# KiCad board haptic display 8x8 aisler.kicad_pcb (continued)
## Routing (per net, layer and track width the routed paths; a pad name or vN(x,y) marks a point on that pad's centre or on a via; arc(x,y) is an arc through that point) (continued)
62.95,68.55 63.22,68.69 63.51,68.81 63.8,68.91 64.09,68.98 64.39,69.04 64.7,69.07 65,69.08 65.3,69.06 65.61,69.02 65.9,68.96 66.2,68.88 66.48,68.78 66.76,68.66 67.03,68.51 67.28,68.35 67.52,68.17 67.75,67.97 67.96,67.75 68.16,67.52 68.33,67.27 68.49,67.02 68.63,66.75 68.75,66.47 68.85,66.19 68.92,65.89 68.97,65.6 69,65.3 69.01,65 69,64.7 68.96,64.4 68.9,64.11 68.82,63.82 68.72,63.54 68.6,63.27 68.46,63 68.3,62.75 68.12,62.51 67.92,62.29 67.71,62.08 67.48,61.89 67.24,61.72 66.99,61.56 66.72,61.43 66.45,61.31 66.17,61.21 65.88,61.14 65.59,61.09 65.3,61.06 65,61.05 64.69,61.07 64.38,61.1 64.08,61.17 63.78,61.26 63.49,61.37 63.22,61.5 62.95,61.65 62.69,61.82 62.45,62.02 62.23,62.23 62.02,62.46 61.83,62.7 61.67,62.96 61.52,63.23 61.39,63.51 61.29,63.79 61.21,64.09 61.15,64.39 61.12,64.69 61.11,65 61.13,65.3 61.17,65.61 61.23,65.91 61.31,66.2 61.42,66.48 61.55,66.76 61.7,67.02 61.88,67.27 62.07,67.51 62.27,67.73 62.5,67.93 62.74,68.11 62.99,68.28 63.25,68.42 63.53,68.55 63.81,68.65 64.1,68.73 64.4,68.78 64.7,68.82 65,68.83 65.3,68.81 65.6,68.77 65.89,68.71 66.18,68.63 66.46,68.52 66.73,68.39 66.99,68.24 67.23,68.07 67.47,67.89 67.68,67.68 67.88,67.46 68.06,67.23 68.23,66.98 68.37,66.72 68.49,66.45 68.59,66.17 68.67,65.88 68.72,65.59 68.75,65.3 68.76,65 68.75,64.71 68.71,64.41 68.65,64.12 68.57,63.84 68.46,63.57 68.34,63.3 68.19,63.05 68.02,62.8 67.84,62.57 67.64,62.36 67.42,62.17 67.19,61.99 66.94,61.83 66.69,61.69 66.42,61.57 66.15,61.47 65.87,61.39 65.58,61.34 65.29,61.31 65,61.3 64.69,61.32 64.39,61.36 64.09,61.42 63.8,61.51 63.52,61.63 63.25,61.76 62.99,61.92 62.74,62.1 62.51,62.3 62.3,62.52 62.11,62.75 61.94,63 61.78,63.26 61.65,63.53 61.55,63.81 61.46,64.1 61.41,64.4 61.37,64.7 61.36,65 61.38,65.3 61.42,65.6 61.48,65.89 61.57,66.18 61.68,66.45 61.82,66.72 61.97,66.98 62.15,67.22 62.35,67.44 62.56,67.65 62.79,67.84 63.03,68.01 63.29,68.16 63.56,68.29 63.83,68.39 64.12,68.48 64.41,68.53 64.7,68.57 65,68.58 65.29,68.56 65.59,68.52 65.88,68.46 66.16,68.37 66.43,68.26 66.69,68.13 66.94,67.97 67.18,67.8 67.4,67.61 67.61,67.4 67.79,67.17 67.96,66.93 68.11,66.68 68.23,66.42 68.33,66.14 68.41,65.86 68.47,65.58 68.5,65.29 68.51,65 68.5,64.71 68.46,64.42 68.4,64.14 68.31,63.86 68.2,63.6 68.07,63.34 67.92,63.09 67.75,62.86 67.56,62.64 67.36,62.44 67.14,62.26 66.9,62.09 66.65,61.95 66.39,61.83 66.12,61.72 65.85,61.65 65.57,61.59 65.29,61.56 65,61.55 64.7,61.57 64.4,61.61 64.11,61.68 63.82,61.77 63.55,61.89 63.29,62.03 63.04,62.19 62.8,62.38 62.58,62.58 62.38,62.8 62.21,63.04 62.05,63.3 61.91,63.56 61.8,63.84 61.72,64.12 61.66,64.41 61.62,64.7 61.61,65 61.63,65.29 61.67,65.59 61.74,65.87 61.83,66.15 61.95,66.42 62.08,66.68 62.25,66.93 62.43,67.16 62.63,67.37 62.84,67.57 63.08,67.74 63.33,67.9 63.59,68.03 63.86,68.14 64.14,68.22 64.42,68.28 64.71,68.32 65,68.33 65.29,68.31 65.58,68.27 65.86,68.2 66.13,68.11 66.4,68 66.65,67.86 66.89,67.7 67.12,67.53 67.33,67.33 67.52,67.11 67.69,66.89 67.84,66.64 67.97,66.39 68.08,66.12 68.16,65.85 68.22,65.57 68.25,65.28 68.26,65 68.25,64.72 68.21,64.43 68.14,64.16 68.05,63.89 67.94,63.63 67.81,63.38 67.65,63.14 67.48,62.92 67.28,62.72 67.07,62.53 66.85,62.36 66.61,62.21 66.36,62.08 66.1,61.98 65.83,61.9 65.56,61.84 65.28,61.81 65,61.8 64.71,61.82 64.41,61.86 64.13,61.93 63.85,62.03 63.58,62.15 63.33,62.3 63.09,62.47 62.86,62.66 62.66,62.87 62.48,63.09 62.31,63.34 62.17,63.59 62.06,63.86 61.97,64.14 61.91,64.42 61.87,64.71 61.86,65 61.88,65.29 61.92,65.58 61.99,65.86 62.09,66.13 62.21,66.39 62.35,66.64 62.52,66.88 62.7,67.09 62.91,67.29 63.13,67.47 63.37,67.63 63.62,67.77 63.88,67.88 64.16,67.97 64.43,68.03 64.72,68.07 65,68.08 65.28,68.06 65.56,68.02 65.84,67.95 66.11,67.85 66.36,67.74 66.61,67.6 66.84,67.43 67.05,67.25 67.25,67.05 67.42,66.83 67.58,66.6 67.71,66.35 67.82,66.09 67.91,65.83 67.97,65.55 68,65.28 68.01,65 68,64.72 67.95,64.45 67.89,64.18 67.8,63.92 67.68,63.67 67.54,63.43 67.38,63.2 67.2,62.99 67.01,62.8 66.79,62.63 66.56,62.47 66.32,62.34 66.07,62.24 65.81,62.15 65.54,62.09 65.27,62.06 65,62.05 64.71,62.07 64.43,62.11 64.15,62.19 63.88,62.29 63.62,62.42 63.37,62.57 63.15,62.74 62.94,62.94 62.75,63.15 62.58,63.38 62.44,63.63 62.32,63.89 62.23,64.16 62.16,64.44 62.12,64.72 62.11,65 62.13,65.28 62.18,65.56 62.25,65.83 62.35,66.1 62.47,66.35 62.62,66.59 62.79,66.81 62.98,67.02 63.19,67.2 63.42,67.37 63.66,67.51 63.91,67.62 64.18,67.71 64.45,67.78 64.72,67.82 65,67.83 65.28,67.81 65.55,67.76 65.82,67.69 66.08,67.6 66.32,67.47 66.56,67.33 66.77,67.16 66.98,66.98 67.16,66.77 67.32,66.55 67.45,66.31 67.57,66.06 67.65,65.81 67.72,65.54 67.75,65.27 67.76,65 67.75,64.73 67.7,64.46 67.63,64.2 67.54,63.95 67.42,63.71 67.28,63.48 67.11,63.26 66.93,63.07 66.73,62.89 66.51,62.74 66.28,62.6 66.04,62.49 65.79,62.41 65.53,62.34 65.27,62.31 65,62.3 64.72,62.32 64.44,62.37 64.17,62.44 63.91,62.55 63.66,62.68 63.43,62.84 63.21,63.02 63.02,63.22 62.85,63.44 62.7,63.67 62.58,63.92 62.48,64.18 62.41,64.45 62.37,64.72 62.36,65 62.38,65.28 62.43,65.55 62.5,65.81 62.61,66.07 62.73,66.31 62.89,66.54 63.06,66.75 63.26,66.94 63.47,67.1 63.7,67.25 63.95,67.37 64.2,67.46 64.46,67.53 64.73,67.57 65,67.58 65.27,67.56 65.53,67.51 65.79,67.44 66.04,67.34 66.28,67.21 66.5,67.06 66.7,66.89 66.89,66.7 67.05,66.49 67.19,66.27 67.31,66.03 67.4,65.78 67.47,65.52 67.5,65.26 67.51,65 67.49,64.74 67.45,64.48 67.38,64.23 67.28,63.98 67.16,63.75 67.01,63.54 66.85,63.34 66.66,63.16 66.45,63 66.24,62.86 66,62.75 65.76,62.66 65.51,62.6 65.26,62.56 65,62.55 64.73,62.57 64.46,62.62 64.2,62.7 63.94,62.81 63.71,62.94 63.49,63.11 63.29,63.29 63.11,63.49 62.96,63.72 62.83,63.96 62.73,64.21 62.66,64.47 62.62,64.73 62.61,65 62.63,65.27 62.68,65.53 62.76,65.78 62.87,66.03 63,66.26 63.15,66.47 63.33,66.67 63.53,66.84 63.75,66.99 63.98,67.11 64.23,67.21 64.48,67.28 64.74,67.31 65,67.33 65.26,67.31 65.52,67.26 65.76,67.18 66,67.08 66.23,66.95 66.43,66.8 66.62,66.62 66.79,66.43 66.93,66.22 67.05,65.99 67.15,65.75 67.21,65.51 67.25,65.25 67.26,65 67.24,64.75 67.2,64.5 67.12,64.26 67.02,64.03 66.9,63.81 66.75,63.61 66.58,63.42 66.39,63.26 66.18,63.12 65.96,63 65.73,62.91 65.49,62.85 65.25,62.81 65,62.8 64.74,62.82 64.48,62.87 64.22,62.96 63.99,63.07 63.76,63.21 63.56,63.37 63.38,63.56 63.22,63.77 63.09,64 62.99,64.24 62.92,64.49 62.87,64.74 62.86,65 62.88,65.26 62.93,65.51 63.01,65.75 63.12,65.98 63.26,66.2 63.42,66.4 63.6,66.57 63.81,66.73 64.03,66.85 64.26,66.95 64.5,67.02 64.75,67.06 65,67.08 65.25,67.06 65.49,67.01 65.73,66.93 65.96,66.82 66.17,66.69 66.36,66.53 66.53,66.35 66.68,66.16 66.8,65.94 66.9,65.72 66.96,65.48 67,65.24 67.01,65 66.99,64.76 66.94,64.52 66.87,64.29 66.76,64.07 66.64,63.87 66.48,63.68 66.31,63.52 66.12,63.38 65.92,63.26 65.7,63.16 65.47,63.1 65.24,63.06 65,63.05 64.75,63.07 64.5,63.13 64.26,63.21 64.04,63.33 63.83,63.47 63.64,63.64 63.48,63.84 63.35,64.05 63.24,64.27 63.17,64.51 63.12,64.75 63.11,65 63.13,65.25 63.19,65.49 63.27,65.72 63.38,65.93 63.52,66.13 63.69,66.31 63.87,66.47 64.08,66.6 64.3,66.7 64.52,66.77 64.76,66.81 65,66.83 65.24,66.8 65.47,66.75 65.69,66.67 65.9,66.56 66.1,66.43 66.27,66.27 66.42,66.09 66.54,65.89 66.64,65.68 66.71,65.46 66.75,65.23 66.76,65 66.74,64.77 66.69,64.55 66.61,64.33 66.51,64.13 66.38,63.94 66.22,63.78 66.05,63.63 65.86,63.51 65.66,63.41 65.44,63.35 65.22,63.31 65,63.3 64.76,63.32 64.52,63.38 64.3,63.47 64.09,63.59 63.91,63.74 63.74,63.91 63.6,64.1 63.49,64.31 63.42,64.54 63.37,64.77 63.36,65 63.38,65.23 63.44,65.46 63.53,65.67 63.64,65.87 63.78,66.05 63.95,66.21 64.14,66.34 64.34,66.45 64.55,66.52 64.78,66.56 65,66.58 65.22,66.55 65.44,66.5 65.65,66.42 65.84,66.31 66.01,66.17 66.16,66.01 66.29,65.83 66.39,65.64 66.46,65.43 66.5,65.22 66.51,65 66.49,64.79 66.44,64.58 66.36,64.38 66.25,64.19 66.12,64.03 65.97,63.88 65.8,63.76 65.61,63.67 65.41,63.6 65.21,63.56 65,63.55 65,63.6 64.63,63.97 64.59,63.98 ; v1(65.35,45) 65,45.35 65,45.55 64.68,45.56 64.37,45.6 64.06,45.66 63.75,45.74 63.45,45.84 63.16,45.97 62.88,46.11 62.61,46.28 62.35,46.46 62.1,46.66 61.88,46.88 61.66,47.11 61.47,47.36 61.29,47.62 61.13,47.89 60.99,48.17 60.88,48.46 60.78,48.76 60.7,49.07 60.65,49.37 60.62,49.69 60.61,50 60.63,50.31 60.66,50.62 60.72,50.93 60.8,51.23 60.9,51.53 61.02,51.82 61.17,52.09 61.33,52.36 61.51,52.61 61.71,52.85 61.92,53.08 62.15,53.29 62.39,53.48 62.65,53.66 62.92,53.81 63.2,53.95 63.48,54.07 63.78,54.16 64.08,54.23 64.38,54.29 64.69,54.32 65,54.33 65.31,54.31 65.61,54.28 65.92,54.22 66.22,54.14 66.51,54.04 66.79,53.92 67.06,53.78 67.33,53.62 67.58,53.44 67.81,53.25 68.04,53.04 68.24,52.81 68.43,52.57 68.6,52.32 68.76,52.05 68.89,51.78 69.01,51.49 69.1,51.2 69.17,50.91 69.22,50.61 69.25,50.3 69.26,50 69.25,49.7 69.21,49.39 69.16,49.1 69.08,48.8 68.98,48.52 68.86,48.24 68.72,47.97 68.57,47.71 68.39,47.46 68.2,47.23 67.99,47.01 67.77,46.8 67.53,46.62 67.28,46.45 67.02,46.3 66.75,46.16 66.47,46.05 66.19,45.96 65.89,45.89 65.6,45.84 65.3,45.81 65,45.8 64.69,45.81 64.37,45.85 64.07,45.91 63.77,46 63.47,46.1 63.19,46.23 62.91,46.38 62.65,46.55 62.4,46.74 62.16,46.94 61.95,47.17 61.74,47.4 61.56,47.66 61.4,47.92 61.26,48.2 61.13,48.48 61.03,48.78 60.96,49.08 60.9,49.38 60.87,49.69 60.86,50 60.88,50.31 60.91,50.62 60.97,50.92 61.06,51.22 61.16,51.51 61.29,51.79 61.43,52.06 61.6,52.32 61.79,52.56 61.99,52.79 62.21,53.01 62.44,53.21 62.69,53.39 62.95,53.55 63.22,53.69 63.51,53.81 63.8,53.91 64.09,53.98 64.39,54.04 64.7,54.07 65,54.08 65.3,54.06 65.61,54.02 65.9,53.96 66.2,53.88 66.48,53.78 66.76,53.66 67.03,53.51 67.28,53.35 67.52,53.17 67.75,52.97 67.96,52.75 68.16,52.52 68.33,52.27 68.49,52.02 68.63,51.75 68.75,51.47 68.85,51.19 68.92,50.89 68.97,50.6 69,50.3 69.01,50 69,49.7 68.96,49.4 68.9,49.11 68.82,48.82 68.72,48.54 68.6,48.27 68.46,48 68.3,47.75 68.12,47.51 67.92,47.29 67.71,47.08 67.48,46.89 67.24,46.72 66.99,46.56 66.72,46.43 66.45,46.31 66.17,46.21 65.88,46.14 65.59,46.09 65.3,46.06 65,46.05 64.69,46.07 64.38,46.1 64.08,46.17 63.78,46.26 63.49,46.37 63.22,46.5 62.95,46.65 62.69,46.82 62.45,47.02 62.23,47.23 62.02,47.46 61.83,47.7 61.67,47.96 61.52,48.23 61.39,48.51 61.29,48.79 61.21,49.09 61.15,49.39 61.12,49.69 61.11,50 61.13,50.3 61.17,50.61 61.23,50.91 61.31,51.2 61.42,51.48 61.55,51.76 61.7,52.02 61.88,52.27 62.07,52.51 62.27,52.73 62.5,52.93 62.74,53.11 62.99,53.28 63.25,53.42 63.53,53.55 63.81,53.65 64.1,53.73 64.4,53.78 64.7,53.82 65,53.83 65.3,53.81 65.6,53.77 65.89,53.71 66.18,53.63 66.46,53.52 66.73,53.39 66.99,53.24 67.23,53.07 67.47,52.89 67.68,52.68 67.88,52.46 68.06,52.23 68.23,51.98 68.37,51.72 68.49,51.45 68.59,51.17 68.67,50.88 68.72,50.59 68.75,50.3 68.76,50 68.75,49.71 68.71,49.41 68.65,49.12 68.57,48.84 68.46,48.57 68.34,48.3 68.19,48.05 68.02,47.8 67.84,47.57 67.64,47.36 67.42,47.17 67.19,46.99 66.94,46.83 66.69,46.69 66.42,46.57 66.15,46.47 65.87,46.39 65.58,46.34 65.29,46.31 65,46.3 64.69,46.32 64.39,46.36 64.09,46.42 63.8,46.51 63.52,46.63 63.25,46.76 62.99,46.92 62.74,47.1 62.51,47.3 62.3,47.52 62.11,47.75 61.94,48 61.78,48.26 61.65,48.53 61.55,48.81 61.46,49.1 61.41,49.4 61.37,49.7 61.36,50 61.38,50.3 61.42,50.6 61.48,50.89 61.57,51.18 61.68,51.45 61.82,51.72 61.97,51.98 62.15,52.22 62.35,52.44 62.56,52.65 62.79,52.84 63.03,53.01 63.29,53.16 63.56,53.29 63.83,53.39 64.12,53.48 64.41,53.53 64.7,53.57 65,53.58 65.29,53.56 65.59,53.52 65.88,53.46 66.16,53.37 66.43,53.26 66.69,53.13 66.94,52.97 67.18,52.8 67.4,52.61 67.61,52.4 67.79,52.17 67.96,51.93 68.11,51.68 68.23,51.42 68.33,51.14 68.41,50.86 68.47,50.58 68.5,50.29 68.51,50 68.5,49.71 68.46,49.42 68.4,49.14 68.31,48.86 68.2,48.6 68.07,48.34 67.92,48.09 67.75,47.86 67.56,47.64 67.36,47.44 67.14,47.26 66.9,47.09 66.65,46.95 66.39,46.83 66.12,46.72 65.85,46.65 65.57,46.59 65.29,46.56 65,46.55 64.7,46.57 64.4,46.61 64.11,46.68 63.82,46.77 63.55,46.89 63.29,47.03 63.04,47.19 62.8,47.38 62.58,47.58 62.38,47.8 62.21,48.04 62.05,48.3 61.91,48.56 61.8,48.84 61.72,49.12 61.66,49.41 61.62,49.7 61.61,50 61.63,50.29 61.67,50.59 61.74,50.87 61.83,51.15 61.95,51.42 62.08,51.68 62.25,51.93 62.43,52.16 62.63,52.37 62.84,52.57 63.08,52.74 63.33,52.9 63.59,53.03 63.86,53.14 64.14,53.22 64.42,53.28 64.71,53.32 65,53.33 65.29,53.31 65.58,53.27 65.86,53.2 66.13,53.11 66.4,53 66.65,52.86 66.89,52.7 67.12,52.53 67.33,52.33 67.52,52.11 67.69,51.89 67.84,51.64 67.97,51.39 68.08,51.12 68.16,50.85 68.22,50.57 68.25,50.28 68.26,50 68.25,49.72 68.21,49.43 68.14,49.16 68.05,48.89 67.94,48.63 67.81,48.38 67.65,48.14 67.48,47.92 67.28,47.72 67.07,47.53 66.85,47.36 66.61,47.21 66.36,47.08 66.1,46.98 65.83,46.9 65.56,46.84 65.28,46.81 65,46.8 64.71,46.82 64.41,46.86 64.13,46.93 63.85,47.03 63.58,47.15 63.33,47.3 63.09,47.47 62.86,47.66 62.66,47.87 62.48,48.09 62.31,48.34 62.17,48.59 62.06,48.86 61.97,49.14 61.91,49.42 61.87,49.71 61.86,50 61.88,50.29 61.92,50.58 61.99,50.86 62.09,51.13 62.21,51.39 62.35,51.64 62.52,51.88 62.7,52.09 62.91,52.29 63.13,52.47 63.37,52.63 63.62,52.77 63.88,52.88 64.16,52.97 64.43,53.03 64.72,53.07 65,53.08 65.28,53.06 65.56,53.02 65.84,52.95 66.11,52.85 66.36,52.74 66.61,52.6 66.84,52.43 67.05,52.25 67.25,52.05 67.42,51.83 67.58,51.6 67.71,51.35 67.82,51.09 67.91,50.83 67.97,50.55 68,50.28 68.01,50 68,49.72 67.95,49.45 67.89,49.18 67.8,48.92 67.68,48.67 67.54,48.43 67.38,48.2 67.2,47.99 67.01,47.8 66.79,47.63 66.56,47.47 66.32,47.34 66.07,47.24 65.81,47.15 65.54,47.09 65.27,47.06 65,47.05 64.71,47.07 64.43,47.11 64.15,47.19 63.88,47.29 63.62,47.42 63.37,47.57 63.15,47.74 62.94,47.94 62.75,48.15 62.58,48.38 62.44,48.63 62.32,48.89 62.23,49.16 62.16,49.44 62.12,49.72 62.11,50 62.13,50.28 62.18,50.56 62.25,50.83 62.35,51.1 62.47,51.35 62.62,51.59 62.79,51.81 62.98,52.02 63.19,52.2 63.42,52.37 63.66,52.51 63.91,52.62 64.18,52.71 64.45,52.78 64.72,52.82 65,52.83 65.28,52.81 65.55,52.76 65.82,52.69 66.08,52.6 66.32,52.47 66.56,52.33 66.77,52.16 66.98,51.98 67.16,51.77 67.32,51.55 67.45,51.31 67.57,51.06 67.65,50.81 67.72,50.54 67.75,50.27 67.76,50 67.75,49.73 67.7,49.46 67.63,49.2 67.54,48.95 67.42,48.71 67.28,48.48 67.11,48.26 66.93,48.07 66.73,47.89 66.51,47.74 66.28,47.6 66.04,47.49 65.79,47.41 65.53,47.34 65.27,47.31 65,47.3 64.72,47.32 64.44,47.37 64.17,47.44 63.91,47.55 63.66,47.68 63.43,47.84 63.21,48.02 63.02,48.22 62.85,48.44 62.7,48.67 62.58,48.92 62.48,49.18 62.41,49.45 62.37,49.72 62.36,50 62.38,50.28 62.43,50.55 62.5,50.81 62.61,51.07 62.73,51.31 62.89,51.54 63.06,51.75 63.26,51.94 63.47,52.1 63.7,52.25 63.95,52.37 64.2,52.46 64.46,52.53 64.73,52.57 65,52.58 65.27,52.56 65.53,52.51 65.79,52.44 66.04,52.34 66.28,52.21 66.5,52.06 66.7,51.89 66.89,51.7 67.05,51.49 67.19,51.27 67.31,51.03 67.4,50.78 67.47,50.52 67.5,50.26 67.51,50 67.49,49.74 67.45,49.48 67.38,49.23 67.28,48.98 67.16,48.75 67.01,48.54 66.85,48.34 66.66,48.16 66.45,48 66.24,47.86 66,47.75 65.76,47.66 65.51,47.6 65.26,47.56 65,47.55 64.73,47.57 64.46,47.62 64.2,47.7 63.94,47.81 63.71,47.94 63.49,48.11 63.29,48.29 63.11,48.49 62.96,48.72 62.83,48.96 62.73,49.21 62.66,49.47 62.62,49.73 62.61,50 62.63,50.27 62.68,50.53 62.76,50.78 62.87,51.03 63,51.26 63.15,51.47 63.33,51.67 63.53,51.84 63.75,51.99 63.98,52.11 64.23,52.21 64.48,52.28 64.74,52.31 65,52.33 65.26,52.31 65.52,52.26 65.76,52.18 66,52.08 66.23,51.95 66.43,51.8 66.62,51.62 66.79,51.43 66.93,51.22 67.05,50.99 67.15,50.75 67.21,50.51 67.25,50.25 67.26,50 67.24,49.75 67.2,49.5 67.12,49.26 67.02,49.03 66.9,48.81 66.75,48.61 66.58,48.42 66.39,48.26 66.18,48.12 65.96,48 65.73,47.91 65.49,47.85 65.25,47.81 65,47.8 64.74,47.82 64.48,47.87 64.22,47.96 63.99,48.07 63.76,48.21 63.56,48.37 63.38,48.56 63.22,48.77 63.09,49 62.99,49.24 62.92,49.49 62.87,49.74 62.86,50 62.88,50.26 62.93,50.51 63.01,50.75 63.12,50.98 63.26,51.2 63.42,51.4 63.6,51.57 63.81,51.73 64.03,51.85 64.26,51.95 64.5,52.02 64.75,52.06 65,52.08 65.25,52.06 65.49,52.01 65.73,51.93 65.96,51.82 66.17,51.69 66.36,51.53 66.53,51.35 66.68,51.16 66.8,50.94 66.9,50.72 66.96,50.48 67,50.24 67.01,50 66.99,49.76 66.94,49.52 66.87,49.29 66.76,49.07 66.64,48.87 66.48,48.68 66.31,48.52 66.12,48.38 65.92,48.26 65.7,48.16 65.47,48.1 65.24,48.06 65,48.05 64.75,48.07 64.5,48.13 64.26,48.21 64.04,48.33 63.83,48.47 63.64,48.64 63.48,48.84 63.35,49.05 63.24,49.27 63.17,49.51 63.12,49.75 63.11,50 63.13,50.25 63.19,50.49 63.27,50.72 63.38,50.93 63.52,51.13 63.69,51.31 63.87,51.47 64.08,51.6 64.3,51.7 64.52,51.77 64.76,51.81 65,51.83 65.24,51.8 65.47,51.75 65.69,51.67 65.9,51.56 66.1,51.43 66.27,51.27 66.42,51.09 66.54,50.89 66.64,50.68 66.71,50.46 66.75,50.23 66.76,50 66.74,49.77 66.69,49.55 66.61,49.33 66.51,49.13 66.38,48.94 66.22,48.78 66.05,48.63 65.86,48.51 65.66,48.41 65.44,48.35 65.22,48.31 65,48.3 64.76,48.32 64.52,48.38 64.3,48.47 64.09,48.59 63.91,48.74 63.74,48.91 63.6,49.1 63.49,49.31 63.42,49.54 63.37,49.77 63.36,50 63.38,50.23 63.44,50.46 63.53,50.67 63.64,50.87 63.78,51.05 63.95,51.21 64.14,51.34 64.34,51.45 64.55,51.52 64.78,51.56 65,51.58 65.22,51.55 65.44,51.5 65.65,51.42 65.84,51.31 66.01,51.17 66.16,51.01 66.29,50.83 66.39,50.64 66.46,50.43 66.5,50.22 66.51,50 66.49,49.79 66.44,49.58 66.36,49.38 66.25,49.19 66.12,49.03 65.97,48.88 65.8,48.76 65.61,48.67 65.41,48.6 65.21,48.56 65,48.55 65,48.6 64.63,48.97 64.59,48.98 ; v1(65.35,30) 65,30.35 65,30.55 64.68,30.56 64.37,30.6 64.06,30.66 63.75,30.74 63.45,30.84 63.16,30.97 62.88,31.11 62.61,31.28 62.35,31.46 62.1,31.66 61.88,31.88 61.66,32.11 61.47,32.36 61.29,32.62 61.13,32.89 60.99,33.17 60.88,33.46 60.78,33.76 60.7,34.07 60.65,34.37 60.62,34.69 60.61,35 60.63,35.31 60.66,35.62 60.72,35.93 60.8,36.23 60.9,36.53 61.02,36.82 61.17,37.09 61.33,37.36 61.51,37.61 61.71,37.85 61.92,38.08 62.15,38.29 62.39,38.48 62.65,38.66 62.92,38.81 63.2,38.95 63.48,39.07 63.78,39.16 64.08,39.23 64.38,39.29 64.69,39.32 65,39.32 65.31,39.31 65.61,39.28 65.92,39.22 66.22,39.14 66.51,39.04 66.79,38.92 67.06,38.78 67.33,38.62 67.58,38.44 67.81,38.25 68.04,38.04 68.24,37.81 68.43,37.57 68.6,37.32 68.76,37.05 68.89,36.78 69.01,36.49 69.1,36.2 69.17,35.91 69.22,35.61 69.25,35.3 69.26,35 69.25,34.7 69.21,34.39 69.16,34.1 69.08,33.8 68.98,33.52 68.86,33.24 68.72,32.97 68.57,32.71 68.39,32.46 68.2,32.23 67.99,32.01 67.77,31.8 67.53,31.62 67.28,31.45 67.02,31.3 66.75,31.16 66.47,31.05 66.19,30.96 65.89,30.89 65.6,30.84 65.3,30.81 65,30.8 64.69,30.81 64.37,30.85 64.07,30.91 63.77,31 63.47,31.1 63.19,31.23 62.91,31.38 62.65,31.55 62.4,31.74 62.16,31.94 61.95,32.17 61.74,32.4 61.56,32.66 61.4,32.92 61.26,33.2 61.13,33.48 61.03,33.78 60.96,34.08 60.9,34.38 60.87,34.69 60.86,35 60.88,35.31 60.91,35.62 60.97,35.92 61.06,36.22 61.16,36.51 61.29,36.79 61.43,37.06 61.6,37.32 61.79,37.56 61.99,37.79 62.21,38.01 62.44,38.21 62.69,38.39 62.95,38.55 63.22,38.69 63.51,38.81 63.8,38.91 64.09,38.98 64.39,39.04 64.7,39.07 65,39.07 65.3,39.06 65.61,39.02 65.9,38.96 66.2,38.88 66.48,38.78 66.76,38.66 67.03,38.51 67.28,38.35 67.52,38.17 67.75,37.97 67.96,37.75 68.16,37.52 68.33,37.27 68.49,37.02 68.63,36.75 68.75,36.47 68.85,36.19 68.92,35.89 68.97,35.6 69,35.3 69.01,35 69,34.7 68.96,34.4 68.9,34.11 68.82,33.82 68.72,33.54 68.6,33.27 68.46,33 68.3,32.75 68.12,32.51 67.92,32.29 67.71,32.08 67.48,31.89 67.24,31.72 66.99,31.56 66.72,31.43 66.45,31.31 66.17,31.21 65.88,31.14 65.59,31.09 65.3,31.06 65,31.05 64.69,31.07 64.38,31.1 64.08,31.17 63.78,31.26 63.49,31.37 63.22,31.5 62.95,31.65 62.69,31.82 62.45,32.02 62.23,32.23 62.02,32.46 61.83,32.7 61.67,32.96 61.52,33.23 61.39,33.51 61.29,33.79 61.21,34.09 61.15,34.39 61.12,34.69 61.11,35 61.13,35.3 61.17,35.61 61.23,35.91 61.31,36.2 61.42,36.48 61.55,36.76 61.7,37.02 61.88,37.27 62.07,37.51 62.27,37.73 62.5,37.93 62.74,38.11 62.99,38.28 63.25,38.42 63.53,38.55 63.81,38.65 64.1,38.73 64.4,38.78 64.7,38.82 65,38.82 65.3,38.81 65.6,38.77 65.89,38.71 66.18,38.63 66.46,38.52 66.73,38.39 66.99,38.24 67.23,38.07 67.47,37.89 67.68,37.68 67.88,37.46 68.06,37.23 68.23,36.98 68.37,36.72 68.49,36.45 68.59,36.17 68.67,35.88 68.72,35.59 68.75,35.3 68.76,35 68.75,34.71 68.71,34.41 68.65,34.12 68.57,33.84 68.46,33.57 68.34,33.3 68.19,33.05 68.02,32.8 67.84,32.57 67.64,32.36 67.42,32.17 67.19,31.99 66.94,31.83 66.69,31.69 66.42,31.57 66.15,31.47 65.87,31.39 65.58,31.34 65.29,31.31 65,31.3 64.69,31.32 64.39,31.36 64.09,31.42 63.8,31.51 63.52,31.63 63.25,31.76 62.99,31.92 62.74,32.1 62.51,32.3 62.3,32.52 62.11,32.75 61.94,33 61.78,33.26 61.65,33.53 61.55,33.81 61.46,34.1 61.41,34.4 61.37,34.7 61.36,35 61.38,35.3 61.42,35.6 61.48,35.89 61.57,36.18 61.68,36.45 61.82,36.72 61.97,36.98 62.15,37.22 62.35,37.44 62.56,37.65 62.79,37.84 63.03,38.01 63.29,38.16 63.56,38.29 63.83,38.39 64.12,38.48 64.41,38.53 64.7,38.57 65,38.57 65.29,38.56 65.59,38.52 65.88,38.46 66.16,38.37 66.43,38.26 66.69,38.13 66.94,37.97 67.18,37.8 67.4,37.61 67.61,37.4 67.79,37.17 67.96,36.93 68.11,36.68 68.23,36.42 68.33,36.14 68.41,35.86 68.47,35.58 68.5,35.29 68.51,35 68.5,34.71 68.46,34.42 68.4,34.14 68.31,33.86 68.2,33.6 68.07,33.34 67.92,33.09 67.75,32.86 67.56,32.64 67.36,32.44 67.14,32.26 66.9,32.09 66.65,31.95 66.39,31.83 66.12,31.72 65.85,31.65 65.57,31.59 65.29,31.56 65,31.55 64.7,31.57 64.4,31.61 64.11,31.68 63.82,31.77 63.55,31.89 63.29,32.03 63.04,32.19 62.8,32.38 62.58,32.58 62.38,32.8 62.21,33.04 62.05,33.3 61.91,33.56 61.8,33.84 61.72,34.12 61.66,34.41 61.62,34.7 61.61,35 61.63,35.29 61.67,35.59 61.74,35.87 61.83,36.15 61.95,36.42 62.08,36.68 62.25,36.93 62.43,37.16 62.63,37.37 62.84,37.57 63.08,37.74 63.33,37.9 63.59,38.03 63.86,38.14 64.14,38.22 64.42,38.28 64.71,38.32 65,38.32 65.29,38.31 65.58,38.27 65.86,38.2 66.13,38.11 66.4,38 66.65,37.86 66.89,37.7 67.12,37.53 67.33,37.33 67.52,37.11 67.69,36.89 67.84,36.64 67.97,36.39 68.08,36.12 68.16,35.85 68.22,35.57 68.25,35.28 68.26,35 68.25,34.72 68.21,34.43 68.14,34.16 68.05,33.89 67.94,33.63 67.81,33.38 67.65,33.14 67.48,32.92 67.28,32.72 67.07,32.53 66.85,32.36 66.61,32.21 66.36,32.08 66.1,31.98 65.83,31.9 65.56,31.84 65.28,31.81 65,31.8 64.71,31.82 64.41,31.86 64.13,31.93 63.85,32.03 63.58,32.15 63.33,32.3 63.09,32.47 62.86,32.66 62.66,32.87 62.48,33.09 62.31,33.34 62.17,33.59 62.06,33.86 61.97,34.14 61.91,34.42 61.87,34.71 61.86,35 61.88,35.29 61.92,35.58 61.99,35.86 62.09,36.13 62.21,36.39 62.35,36.64 62.52,36.88 62.7,37.09 62.91,37.29 63.13,37.47 63.37,37.63 63.62,37.77 63.88,37.88 64.16,37.97 64.43,38.03 64.72,38.07 65,38.07 65.28,38.06 65.56,38.02 65.84,37.95 66.11,37.85 66.36,37.74 66.61,37.6 66.84,37.43 67.05,37.25 67.25,37.05 67.42,36.83 67.58,36.6 67.71,36.35 67.82,36.09 67.91,35.83 67.97,35.55 68,35.28 68.01,35 68,34.72 67.95,34.45 67.89,34.18 67.8,33.92 67.68,33.67 67.54,33.43 67.38,33.2 67.2,32.99 67.01,32.8 66.79,32.63 66.56,32.47 66.32,32.34 66.07,32.24 65.81,32.15 65.54,32.09 65.27,32.06 65,32.05 64.71,32.07 64.43,32.11 64.15,32.19 63.88,32.29 63.62,32.42 63.37,32.57 63.15,32.74 62.94,32.94 62.75,33.15 62.58,33.38 62.44,33.63 62.32,33.89 62.23,34.16 62.16,34.44 62.12,34.72 62.11,35 62.13,35.28 62.18,35.56 62.25,35.83 62.35,36.1 62.47,36.35 62.62,36.59 62.79,36.81 62.98,37.02 63.19,37.2 63.42,37.37 63.66,37.51 63.91,37.62 64.18,37.71 64.45,37.78 64.72,37.82 65,37.82 65.28,37.81 65.55,37.76 65.82,37.69 66.08,37.6 66.32,37.47 66.56,37.33 66.77,37.16 66.98,36.98 67.16,36.77 67.32,36.55 67.45,36.31 67.57,36.06 67.65,35.81 67.72,35.54 67.75,35.27 67.76,35 67.75,34.73 67.7,34.46 67.63,34.2 67.54,33.95 67.42,33.71 67.28,33.48 67.11,33.26 66.93,33.07 66.73,32.89 66.51,32.74 66.28,32.6 66.04,32.49 65.79,32.41 65.53,32.34 65.27,32.31 65,32.3 64.72,32.32 64.44,32.37 64.17,32.44 63.91,32.55 63.66,32.68 63.43,32.84 63.21,33.02 63.02,33.22 62.85,33.44 62.7,33.67 62.58,33.92 62.48,34.18 62.41,34.45 62.37,34.72 62.36,35 62.38,35.28 62.43,35.55 62.5,35.81 62.61,36.07 62.73,36.31 62.89,36.54 63.06,36.75 63.26,36.94 63.47,37.1 63.7,37.25 63.95,37.37 64.2,37.46 64.46,37.53 64.73,37.57 65,37.57 65.27,37.56 65.53,37.51 65.79,37.44 66.04,37.34 66.28,37.21 66.5,37.06 66.7,36.89 66.89,36.7 67.05,36.49 67.19,36.27 67.31,36.03 67.4,35.78 67.47,35.52 67.5,35.26 67.51,35 67.49,34.74 67.45,34.48 67.38,34.23 67.28,33.98 67.16,33.75 67.01,33.54 66.85,33.34 66.66,33.16 66.45,33 66.24,32.86 66,32.75 65.76,32.66 65.51,32.6 65.26,32.56 65,32.55 64.73,32.57 64.46,32.62 64.2,32.7 63.94,32.81 63.71,32.94 63.49,33.11 63.29,33.29 63.11,33.49 62.96,33.72 62.83,33.96 62.73,34.21 62.66,34.47 62.62,34.73 62.61,35 62.63,35.27 62.68,35.53 62.76,35.78 62.87,36.03 63,36.26 63.15,36.47 63.33,36.67 63.53,36.84 63.75,36.99 63.98,37.11 64.23,37.21 64.48,37.28 64.74,37.31 65,37.32 65.26,37.31 65.52,37.26 65.76,37.18 66,37.08 66.23,36.95 66.43,36.8 66.62,36.62 66.79,36.43 66.93,36.22 67.05,35.99 67.15,35.75 67.21,35.51 67.25,35.25 67.26,35 67.24,34.75 67.2,34.5 67.12,34.26 67.02,34.03 66.9,33.81 66.75,33.61 66.58,33.42 66.39,33.26 66.18,33.12 65.96,33 65.73,32.91 65.49,32.85 65.25,32.81 65,32.8 64.74,32.82 64.48,32.87 64.22,32.96 63.99,33.07 63.76,33.21 63.56,33.37 63.38,33.56 63.22,33.77 63.09,34 62.99,34.24 62.92,34.49 62.87,34.74 62.86,35 62.88,35.26 62.93,35.51 63.01,35.75 63.12,35.98 63.26,36.2 63.42,36.4 63.6,36.57 63.81,36.73 64.03,36.85 64.26,36.95 64.5,37.02 64.75,37.06 65,37.07 65.25,37.06 65.49,37.01 65.73,36.93 65.96,36.82 66.17,36.69 66.36,36.53 66.53,36.35 66.68,36.16 66.8,35.94 66.9,35.72 66.96,35.48 67,35.24 67.01,35 66.99,34.76 66.94,34.52 66.87,34.29 66.76,34.07 66.64,33.87 66.48,33.68 66.31,33.52 66.12,33.38 65.92,33.26 65.7,33.16 65.47,33.1 65.24,33.06 65,33.05 64.75,33.07 64.5,33.13 64.26,33.21 64.04,33.33 63.83,33.47 63.64,33.64 63.48,33.84 63.35,34.05 63.24,34.27 63.17,34.51 63.12,34.75 63.11,35 63.13,35.25 63.19,35.49 63.27,35.72 63.38,35.93 63.52,36.13 63.69,36.31 63.87,36.47 64.08,36.6 64.3,36.7 64.52,36.77 64.76,36.81 65,36.82 65.24,36.8 65.47,36.75 65.69,36.67 65.9,36.56 66.1,36.43 66.27,36.27 66.42,36.09 66.54,35.89 66.64,35.68 66.71,35.46 66.75,35.23 66.76,35 66.74,34.77 66.69,34.55 66.61,34.33 66.51,34.13 66.38,33.94 66.22,33.78 66.05,33.63 65.86,33.51 65.66,33.41 65.44,33.35 65.22,33.31 65,33.3 64.76,33.32 64.52,33.38 64.3,33.47 64.09,33.59 63.91,33.74 63.74,33.91 63.6,34.1 63.49,34.31 63.42,34.54 63.37,34.77 63.36,35 63.38,35.23 63.44,35.46 63.53,35.67 63.64,35.87 63.78,36.05 63.95,36.21 64.14,36.34 64.34,36.45 64.55,36.52 64.78,36.56 65,36.57 65.22,36.55 65.44,36.5 65.65,36.42 65.84,36.31 66.01,36.17 66.16,36.01 66.29,35.83 66.39,35.64 66.46,35.43 66.5,35.22 66.51,35 66.49,34.79 66.44,34.58 66.36,34.38 66.25,34.19 66.12,34.03 65.97,33.88 65.8,33.76 65.61,33.67 65.41,33.6 65.21,33.56 65,33.55 65,33.6 64.63,33.97 64.59,33.98 ; v1(65.35,15) 65,15.35 65,15.55 64.68,15.56 64.37,15.6 64.06,15.66 63.75,15.74 63.45,15.84 63.16,15.97 62.88,16.11 62.61,16.28 62.35,16.46 62.1,16.66 61.88,16.88 61.66,17.11 61.47,17.36 61.29,17.62 61.13,17.89 60.99,18.17 60.88,18.46 60.78,18.76 60.7,19.07 60.65,19.37 60.62,19.69 60.61,20 60.63,20.31 60.66,20.62 60.72,20.93 60.8,21.23 60.9,21.53 61.02,21.82 61.17,22.09 61.33,22.36 61.51,22.61 61.71,22.85 61.92,23.08 62.15,23.29 62.39,23.48 62.65,23.66 62.92,23.81 63.2,23.95 63.48,24.07 63.78,24.16 64.08,24.23 64.38,24.29 64.69,24.32 65,24.32 65.31,24.31 65.61,24.28 65.92,24.22 66.22,24.14 66.51,24.04 66.79,23.92 67.06,23.78 67.33,23.62 67.58,23.44 67.81,23.25 68.04,23.04 68.24,22.81 68.43,22.57 68.6,22.32 68.76,22.05 68.89,21.78 69.01,21.49 69.1,21.2 69.17,20.91 69.22,20.61 69.25,20.3 69.26,20 69.25,19.7 69.21,19.39 69.16,19.1 69.08,18.8 68.98,18.52 68.86,18.24 68.72,17.97 68.57,17.71 68.39,17.46 68.2,17.23 67.99,17.01 67.77,16.8 67.53,16.62 67.28,16.45 67.02,16.3 66.75,16.16 66.47,16.05 66.19,15.96 65.89,15.89 65.6,15.84 65.3,15.81 65,15.8 64.69,15.81 64.37,15.85 64.07,15.91 63.77,16 63.47,16.1 63.19,16.23 62.91,16.38 62.65,16.55 62.4,16.74 62.16,16.94 61.95,17.17 61.74,17.4 61.56,17.66 61.4,17.92 61.26,18.2 61.13,18.48 61.03,18.78 60.96,19.08 60.9,19.38 60.87,19.69 60.86,20 60.88,20.31 60.91,20.62 60.97,20.92 61.06,21.22 61.16,21.51 61.29,21.79 61.43,22.06 61.6,22.32 61.79,22.56 61.99,22.79 62.21,23.01 62.44,23.21 62.69,23.39 62.95,23.55 63.22,23.69 63.51,23.81 63.8,23.91 64.09,23.98 64.39,24.04 64.7,24.07 65,24.07 65.3,24.06 65.61,24.02 65.9,23.96 66.2,23.88 66.48,23.78 66.76,23.66 67.03,23.51 67.28,23.35 67.52,23.17 67.75,22.97 67.96,22.75 68.16,22.52 68.33,22.27 68.49,22.02 68.63,21.75 68.75,21.47 68.85,21.19 68.92,20.89 68.97,20.6 69,20.3 69.01,20 69,19.7 68.96,19.4 68.9,19.11 68.82,18.82 68.72,18.54 68.6,18.27 68.46,18 68.3,17.75 68.12,17.51 67.92,17.29 67.71,17.08 67.48,16.89 67.24,16.72 66.99,16.56 66.72,16.43 66.45,16.31 66.17,16.21 65.88,16.14 65.59,16.09 65.3,16.06 65,16.05 64.69,16.07 64.38,16.1 64.08,16.17 63.78,16.26 63.49,16.37 63.22,16.5 62.95,16.65 62.69,16.82 62.45,17.02 62.23,17.23 62.02,17.46 61.83,17.7 61.67,17.96 61.52,18.23 61.39,18.51 61.29,18.79 61.21,19.09 61.15,19.39 61.12,19.69 61.11,20 61.13,20.3 61.17,20.61 61.23,20.91 61.31,21.2 61.42,21.48 61.55,21.76 61.7,22.02 61.88,22.27 62.07,22.51 62.27,22.73 62.5,22.93 62.74,23.11 62.99,23.28 63.25,23.42 63.53,23.55 63.81,23.65 64.1,23.73 64.4,23.78 64.7,23.82 65,23.82 65.3,23.81 65.6,23.77 65.89,23.71 66.18,23.63 66.46,23.52 66.73,23.39 66.99,23.24 67.23,23.07 67.47,22.89 67.68,22.68 67.88,22.46 68.06,22.23 68.23,21.98 68.37,21.72 68.49,21.45 68.59,21.17 68.67,20.88 68.72,20.59 68.75,20.3 68.76,20 68.75,19.71 68.71,19.41 68.65,19.12 68.57,18.84 68.46,18.57 68.34,18.3 68.19,18.05 68.02,17.8 67.84,17.57 67.64,17.36 67.42,17.17 67.19,16.99 66.94,16.83 66.69,16.69 66.42,16.57 66.15,16.47 65.87,16.39 65.58,16.34 65.29,16.31 65,16.3 64.69,16.32 64.39,16.36 64.09,16.42 63.8,16.51 63.52,16.63 63.25,16.76 62.99,16.92 62.74,17.1 62.51,17.3 62.3,17.52 62.11,17.75 61.94,18 61.78,18.26 61.65,18.53 61.55,18.81 61.46,19.1 61.41,19.4 61.37,19.7 61.36,20 61.38,20.3 61.42,20.6 61.48,20.89 61.57,21.18 61.68,21.45 61.82,21.72 61.97,21.98 62.15,22.22 62.35,22.44 62.56,22.65 62.79,22.84 63.03,23.01 63.29,23.16 63.56,23.29 63.83,23.39 64.12,23.48 64.41,23.53 64.7,23.57 65,23.57 65.29,23.56 65.59,23.52 65.88,23.46 66.16,23.37 66.43,23.26 66.69,23.13 66.94,22.97 67.18,22.8 67.4,22.61 67.61,22.4 67.79,22.17 67.96,21.93 68.11,21.68 68.23,21.42 68.33,21.14 68.41,20.86 68.47,20.58 68.5,20.29 68.51,20 68.5,19.71 68.46,19.42 68.4,19.14 68.31,18.86 68.2,18.6 68.07,18.34 67.92,18.09 67.75,17.86 67.56,17.64 67.36,17.44 67.14,17.26 66.9,17.09 66.65,16.95 66.39,16.83 66.12,16.72 65.85,16.65 65.57,16.59 65.29,16.56 65,16.55 64.7,16.57 64.4,16.61 64.11,16.68 63.82,16.77 63.55,16.89 63.29,17.03 63.04,17.19 62.8,17.38 62.58,17.58 62.38,17.8 62.21,18.04 62.05,18.3 61.91,18.56 61.8,18.84 61.72,19.12 61.66,19.41 61.62,19.7 61.61,20 61.63,20.29 61.67,20.59 61.74,20.87 61.83,21.15 61.95,21.42 62.08,21.68 62.25,21.93 62.43,22.16 62.63,22.37 62.84,22.57 63.08,22.74 63.33,22.9 63.59,23.03 63.86,23.14 64.14,23.22 64.42,23.28 64.71,23.32 65,23.32 65.29,23.31 65.58,23.27 65.86,23.2 66.13,23.11 66.4,23 66.65,22.86 66.89,22.7 67.12,22.53 67.33,22.33 67.52,22.11 67.69,21.89 67.84,21.64 67.97,21.39 68.08,21.12 68.16,20.85 68.22,20.57 68.25,20.28 68.26,20 68.25,19.72 68.21,19.43 68.14,19.16 68.05,18.89 67.94,18.63 67.81,18.38 67.65,18.14 67.48,17.92 67.28,17.72 67.07,17.53 66.85,17.36 66.61,17.21 66.36,17.08 66.1,16.98 65.83,16.9 65.56,16.84 65.28,16.81 65,16.8 64.71,16.82 64.41,16.86 64.13,16.93 63.85,17.03 63.58,17.15 63.33,17.3 63.09,17.47 62.86,17.66 62.66,17.87 62.48,18.09 62.31,18.34 62.17,18.59 62.06,18.86 61.97,19.14 61.91,19.42 61.87,19.71 61.86,20 61.88,20.29 61.92,20.58 61.99,20.86 62.09,21.13 62.21,21.39 62.35,21.64 62.52,21.88 62.7,22.09 62.91,22.29 63.13,22.47 63.37,22.63 63.62,22.77 63.88,22.88 64.16,22.97 64.43,23.03 64.72,23.07 65,23.07 65.28,23.06 65.56,23.02 65.84,22.95 66.11,22.85 66.36,22.74 66.61,22.6 66.84,22.43 67.05,22.25 67.25,22.05 67.42,21.83 67.58,21.6 67.71,21.35 67.82,21.09 67.91,20.83 67.97,20.55 68,20.28 68.01,20 68,19.72 67.95,19.45 67.89,19.18 67.8,18.92 67.68,18.67 67.54,18.43 67.38,18.2 67.2,17.99 67.01,17.8 66.79,17.63 66.56,17.47 66.32,17.34 66.07,17.24 65.81,17.15 65.54,17.09 65.27,17.06 65,17.05 64.71,17.07 64.43,17.11 64.15,17.19 63.88,17.29 63.62,17.42 63.37,17.57 63.15,17.74 62.94,17.94 62.75,18.15 62.58,18.38 62.44,18.63 62.32,18.89 62.23,19.16 62.16,19.44 62.12,19.72 62.11,20 62.13,20.28 62.18,20.56 62.25,20.83 62.35,21.1 62.47,21.35 62.62,21.59 62.79,21.81 62.98,22.02 63.19,22.2 63.42,22.37 63.66,22.51 63.91,22.62 64.18,22.71 64.45,22.78 64.72,22.82 65,22.82 65.28,22.81 65.55,22.76 65.82,22.69 66.08,22.6 66.32,22.47 66.56,22.33 66.77,22.16 66.98,21.98 67.16,21.77 67.32,21.55 67.45,21.31 67.57,21.06 67.65,20.81 67.72,20.54 67.75,20.27 67.76,20 67.75,19.73 67.7,19.46 67.63,19.2 67.54,18.95 67.42,18.71 67.28,18.48 67.11,18.26 66.93,18.07 66.73,17.89 66.51,17.74 66.28,17.6 66.04,17.49 65.79,17.41 65.53,17.34 65.27,17.31 65,17.3 64.72,17.32 64.44,17.37 64.17,17.44 63.91,17.55 63.66,17.68 63.43,17.84 63.21,18.02 63.02,18.22 62.85,18.44 62.7,18.67 62.58,18.92 62.48,19.18 62.41,19.45 62.37,19.72 62.36,20 62.38,20.28 62.43,20.55 62.5,20.81 62.61,21.07 62.73,21.31 62.89,21.54 63.06,21.75 63.26,21.94 63.47,22.1 63.7,22.25 63.95,22.37 64.2,22.46 64.46,22.53 64.73,22.57 65,22.57 65.27,22.56 65.53,22.51 65.79,22.44 66.04,22.34 66.28,22.21 66.5,22.06 66.7,21.89 66.89,21.7 67.05,21.49 67.19,21.27 67.31,21.03 67.4,20.78 67.47,20.52 67.5,20.26 67.51,20 67.49,19.74 67.45,19.48 67.38,19.23 67.28,18.98 67.16,18.75 67.01,18.54 66.85,18.34 66.66,18.16 66.45,18 66.24,17.86 66,17.75 65.76,17.66 65.51,17.6 65.26,17.56 65,17.55 64.73,17.57 64.46,17.62 64.2,17.7 63.94,17.81 63.71,17.94 63.49,18.11 63.29,18.29 63.11,18.49 62.96,18.72 62.83,18.96 62.73,19.21 62.66,19.47 62.62,19.73 62.61,20 62.63,20.27 62.68,20.53 62.76,20.78 62.87,21.03 63,21.26 63.15,21.47 63.33,21.67 63.53,21.84 63.75,21.99 63.98,22.11 64.23,22.21 64.48,22.28 64.74,22.31 65,22.32 65.26,22.31 65.52,22.26 65.76,22.18 66,22.08 66.23,21.95 66.43,21.8 66.62,21.62 66.79,21.43 66.93,21.22 67.05,20.99 67.15,20.75 67.21,20.51 67.25,20.25 67.26,20 67.24,19.75 67.2,19.5 67.12,19.26 67.02,19.03 66.9,18.81 66.75,18.61 66.58,18.42 66.39,18.26 66.18,18.12 65.96,18 65.73,17.91 65.49,17.85 65.25,17.81 65,17.8 64.74,17.82 64.48,17.87 64.22,17.96 63.99,18.07 63.76,18.21 63.56,18.37 63.38,18.56 63.22,18.77 63.09,19 62.99,19.24 62.92,19.49 62.87,19.74 62.86,20 62.88,20.26 62.93,20.51 63.01,20.75 63.12,20.98 63.26,21.2 63.42,21.4 63.6,21.57 63.81,21.73 64.03,21.85 64.26,21.95 64.5,22.02 64.75,22.06 65,22.07 65.25,22.06 65.49,22.01 65.73,21.93 65.96,21.82 66.17,21.69 66.36,21.53 66.53,21.35 66.68,21.16 66.8,20.94 66.9,20.72 66.96,20.48 67,20.24 67.01,20 66.99,19.76 66.94,19.52 66.87,19.29 66.76,19.07 66.64,18.87 66.48,18.68 66.31,18.52 66.12,18.38 65.92,18.26 65.7,18.16 65.47,18.1 65.24,18.06 65,18.05 64.75,18.07 64.5,18.13 64.26,18.21 64.04,18.33 63.83,18.47 63.64,18.64 63.48,18.84 63.35,19.05 63.24,19.27 63.17,19.51 63.12,19.75 63.11,20 63.13,20.25 63.19,20.49 63.27,20.72 63.38,20.93 63.52,21.13 63.69,21.31 63.87,21.47 64.08,21.6 64.3,21.7 64.52,21.77 64.76,21.81 65,21.82 65.24,21.8 65.47,21.75 65.69,21.67 65.9,21.56 66.1,21.43 66.27,21.27 66.42,21.09 66.54,20.89 66.64,20.68 66.71,20.46 66.75,20.23 66.76,20 66.74,19.77 66.69,19.55 66.61,19.33 66.51,19.13 66.38,18.94 66.22,18.78 66.05,18.63 65.86,18.51 65.66,18.41 65.44,18.35 65.22,18.31 65,18.3 64.76,18.32 64.52,18.38 64.3,18.47 64.09,18.59 63.91,18.74 63.74,18.91 63.6,19.1 63.49,19.31 63.42,19.54 63.37,19.77 63.36,20 63.38,20.23 63.44,20.46 63.53,20.67 63.64,20.87 63.78,21.05 63.95,21.21 64.14,21.34 64.34,21.45 64.55,21.52 64.78,21.56 65,21.57 65.22,21.55 65.44,21.5 65.65,21.42 65.84,21.31 66.01,21.17 66.16,21.01 66.29,20.83 66.39,20.64 66.46,20.43 66.5,20.22 66.51,20 66.49,19.79 66.44,19.58 66.36,19.38 66.25,19.19 66.12,19.03 65.97,18.88 65.8,18.76 65.61,18.67 65.41,18.6 65.21,18.56 65,18.55 65,18.6 64.63,18.97 64.59,18.98